# Altium PCB Cyberdeck.PcbDoc (part 1 of 2)
Units mm, origin at the board's own origin, x right, y up, seen from the top; angles counter-clockwise.
Board outline 150 x 120 mm, 2 copper layers (Top Layer, Bottom Layer), stack 1.535 mm thick; 72 components, 114 nets, 477 pads, 1633 vias.
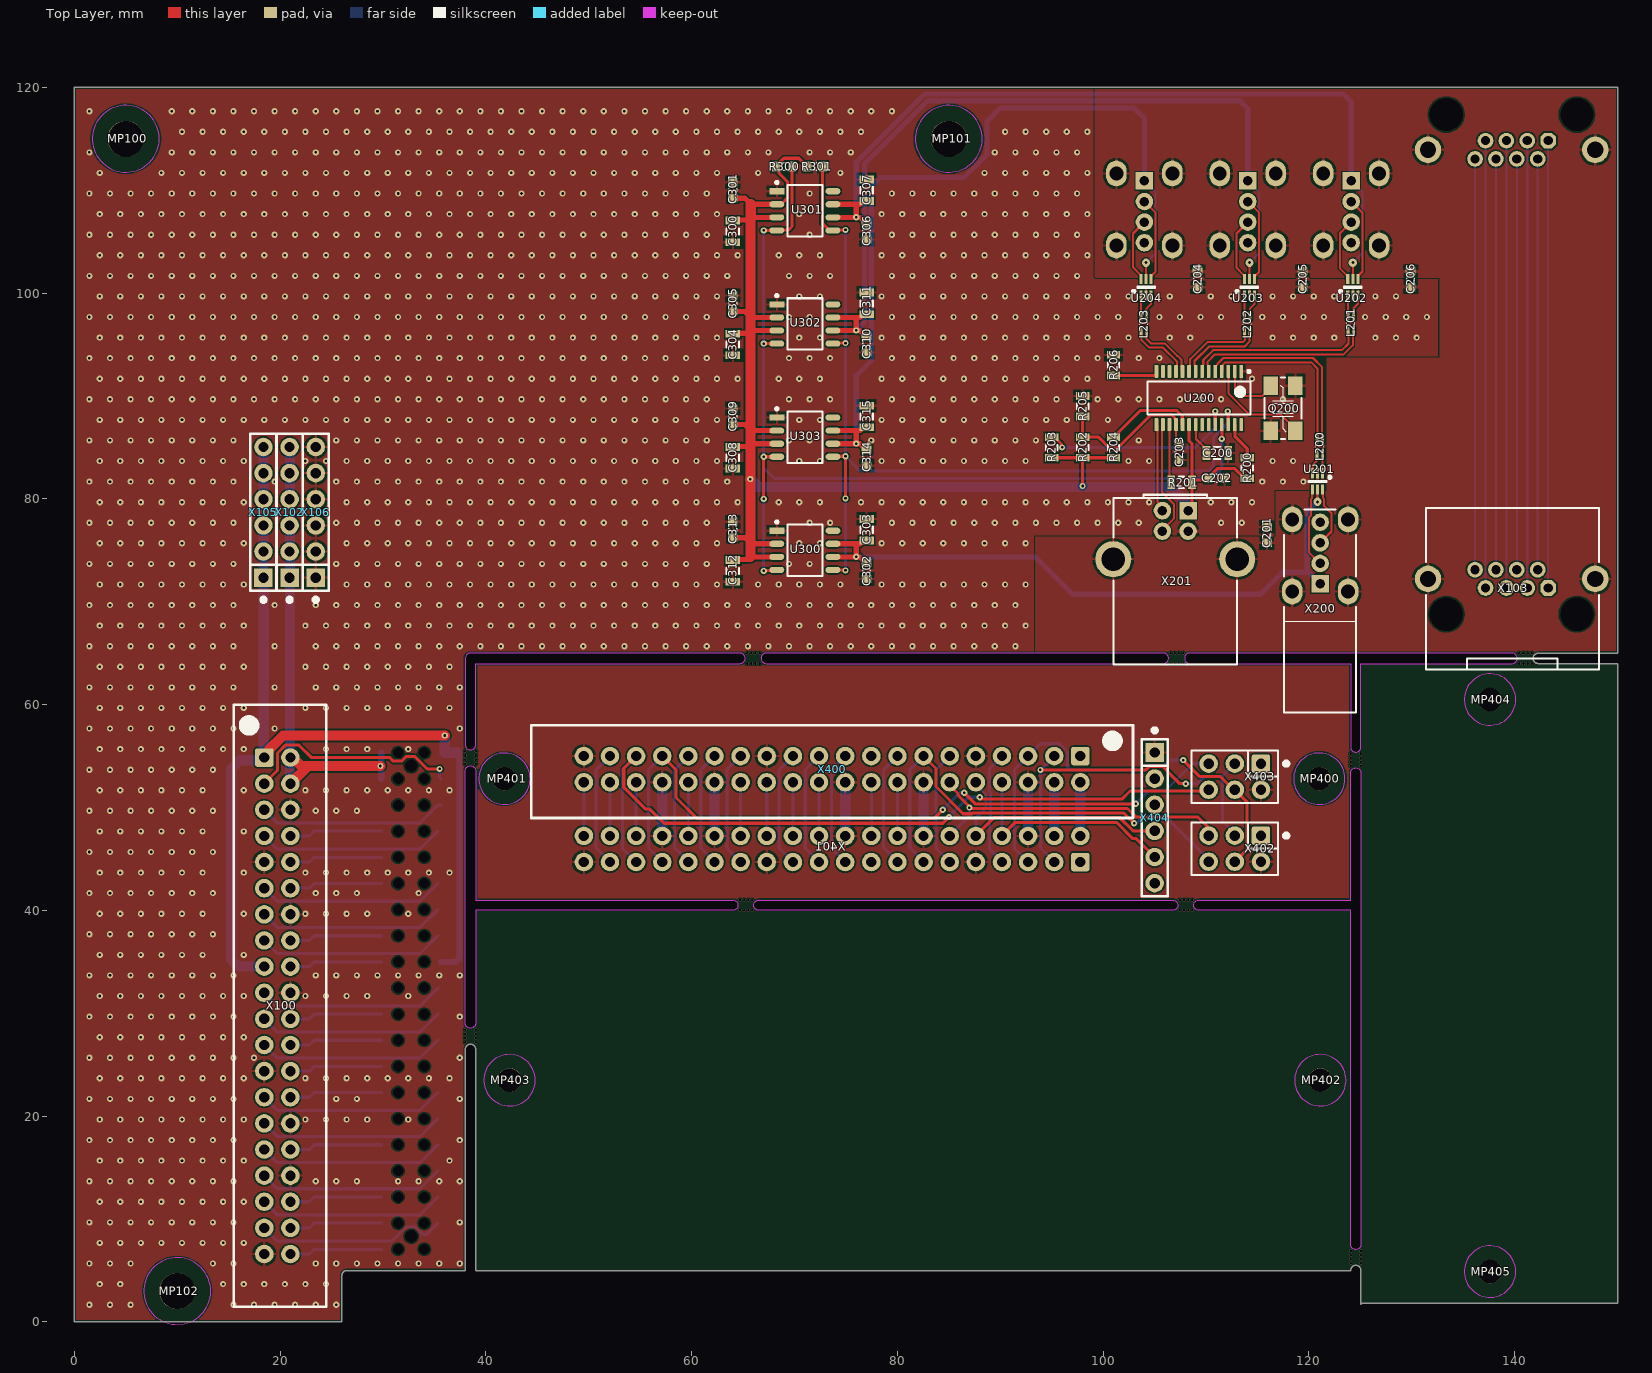
[diagram p0: Top Layer view]
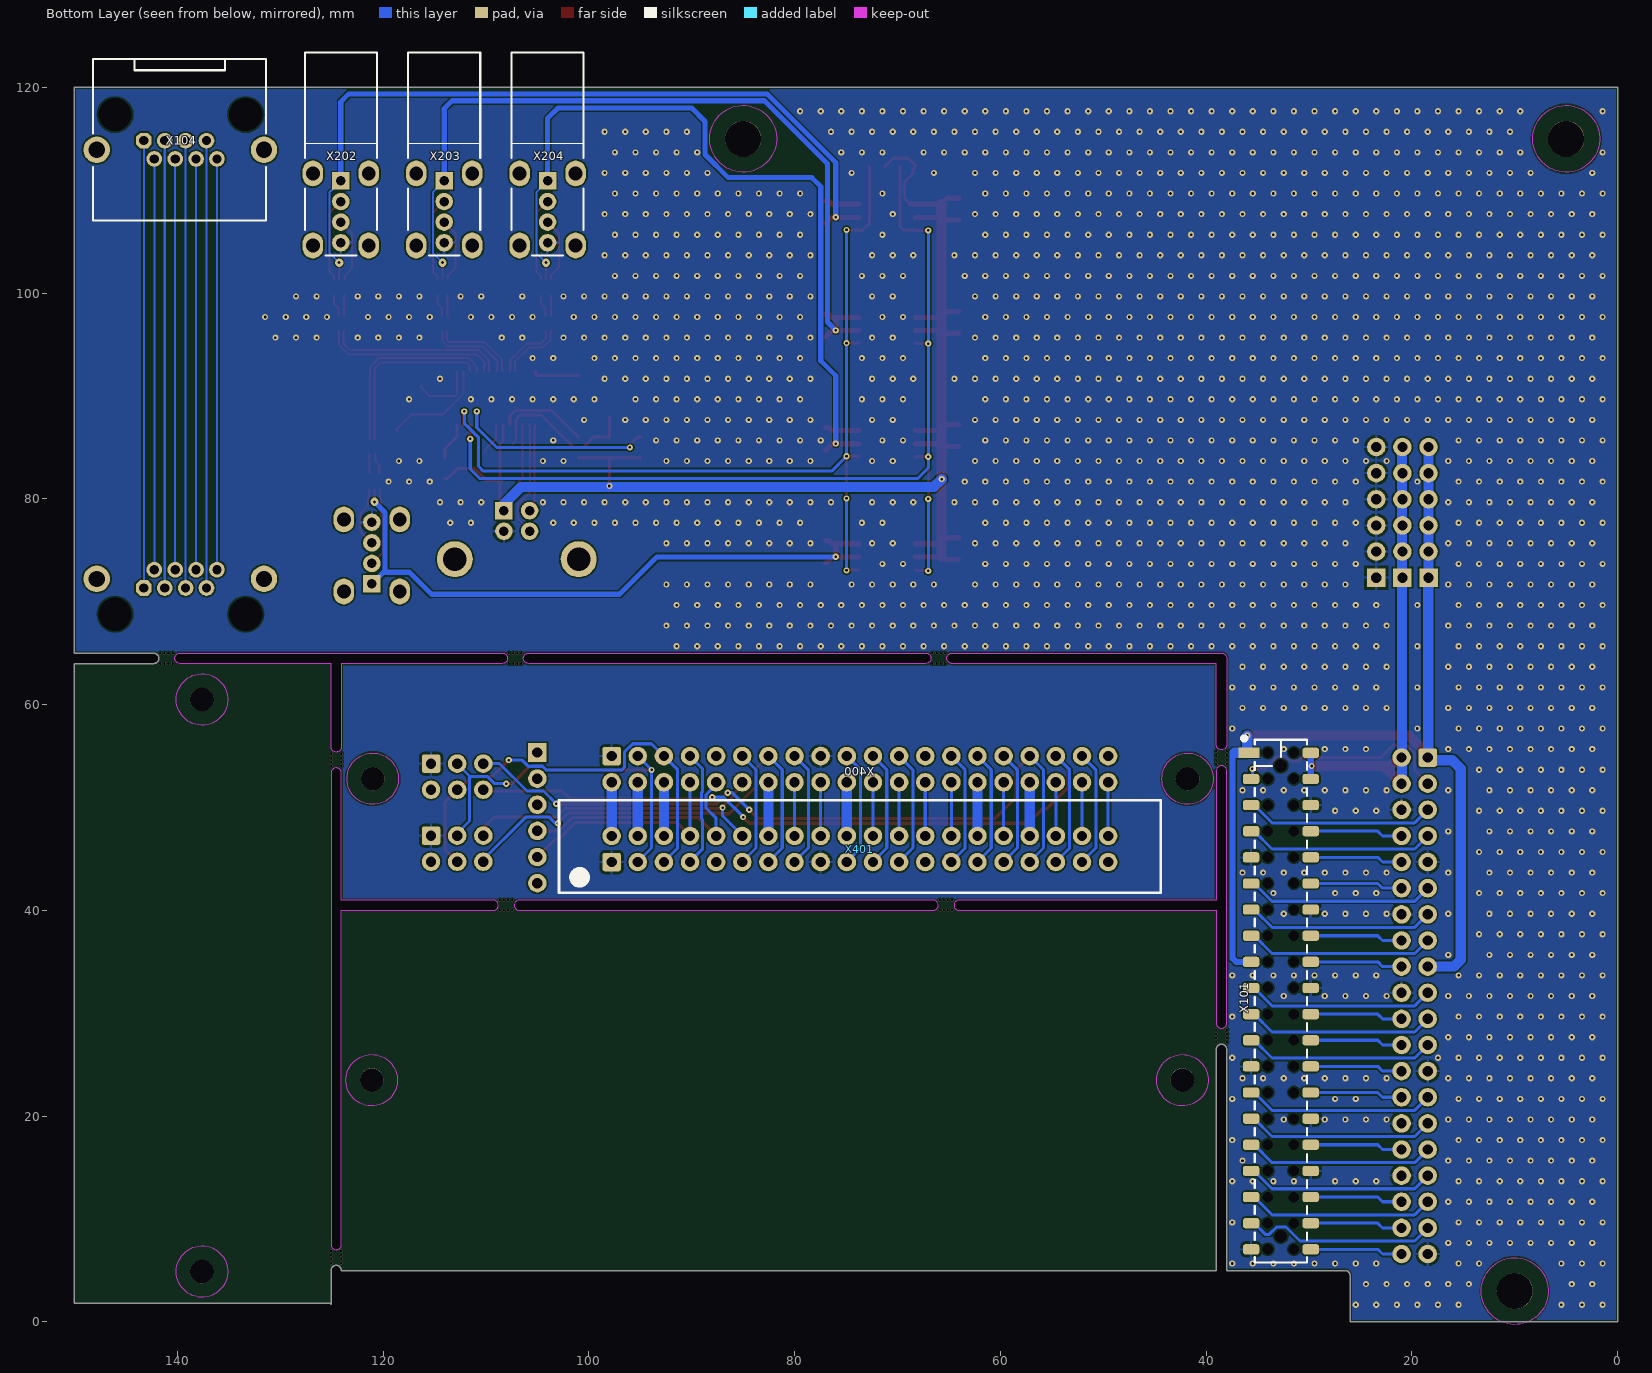
[diagram p1: Bottom Layer view, seen from below]
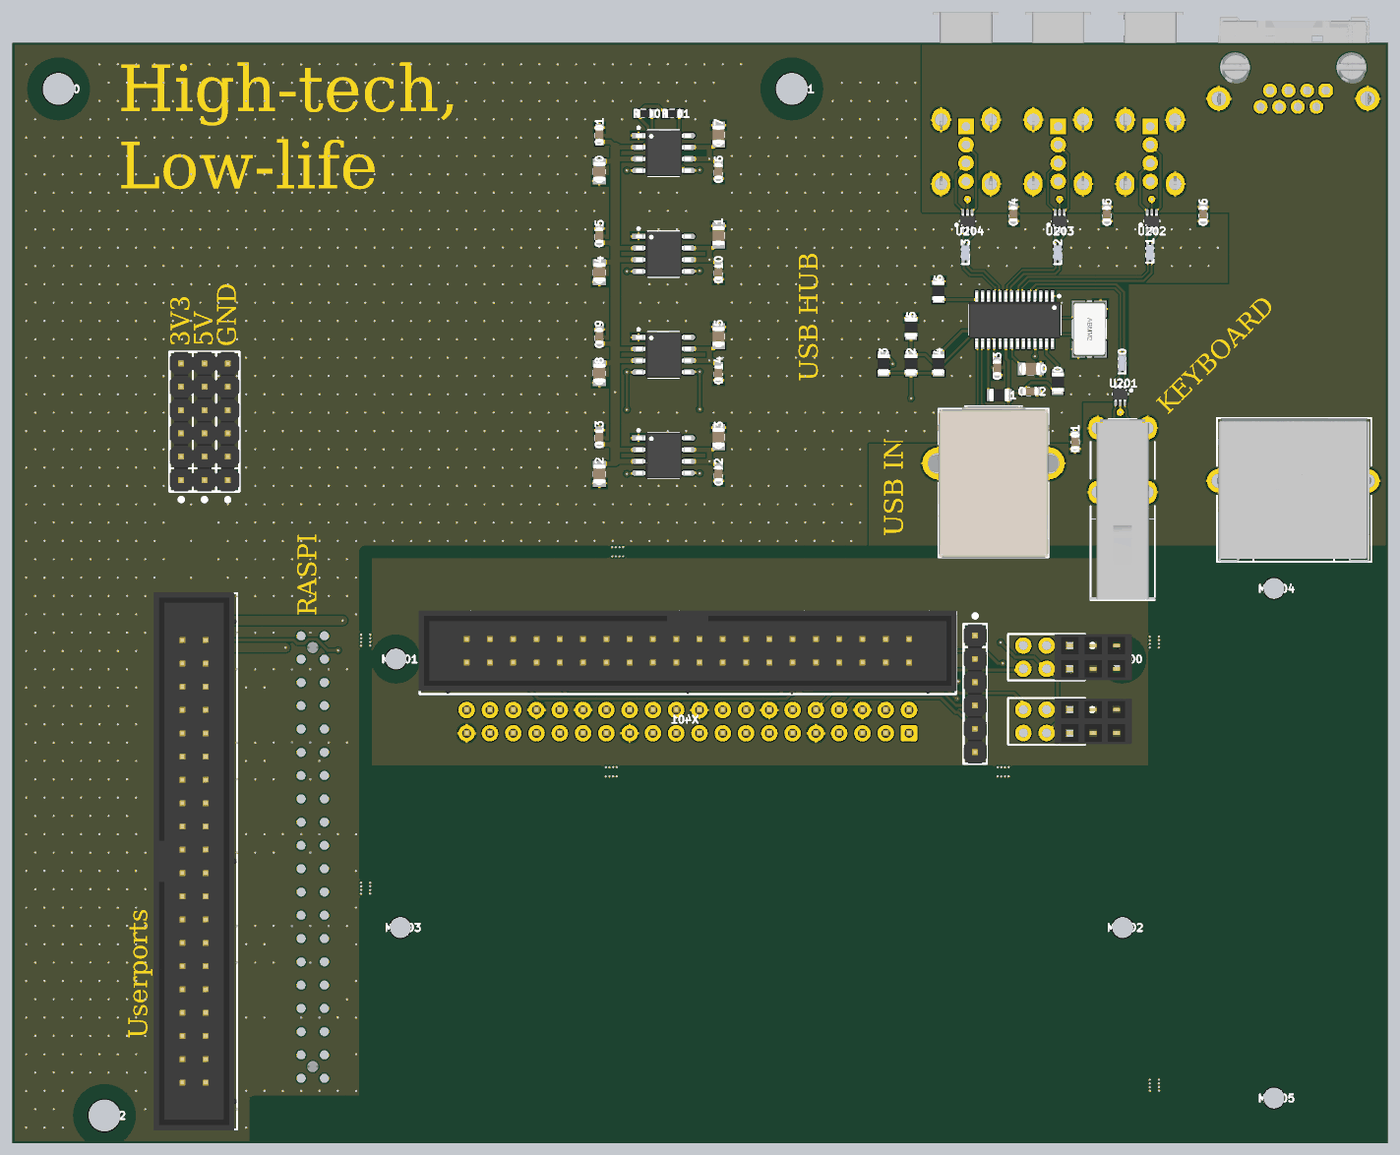
[diagram p3: 3D render of the assembled board from above, using the file's embedded part models]
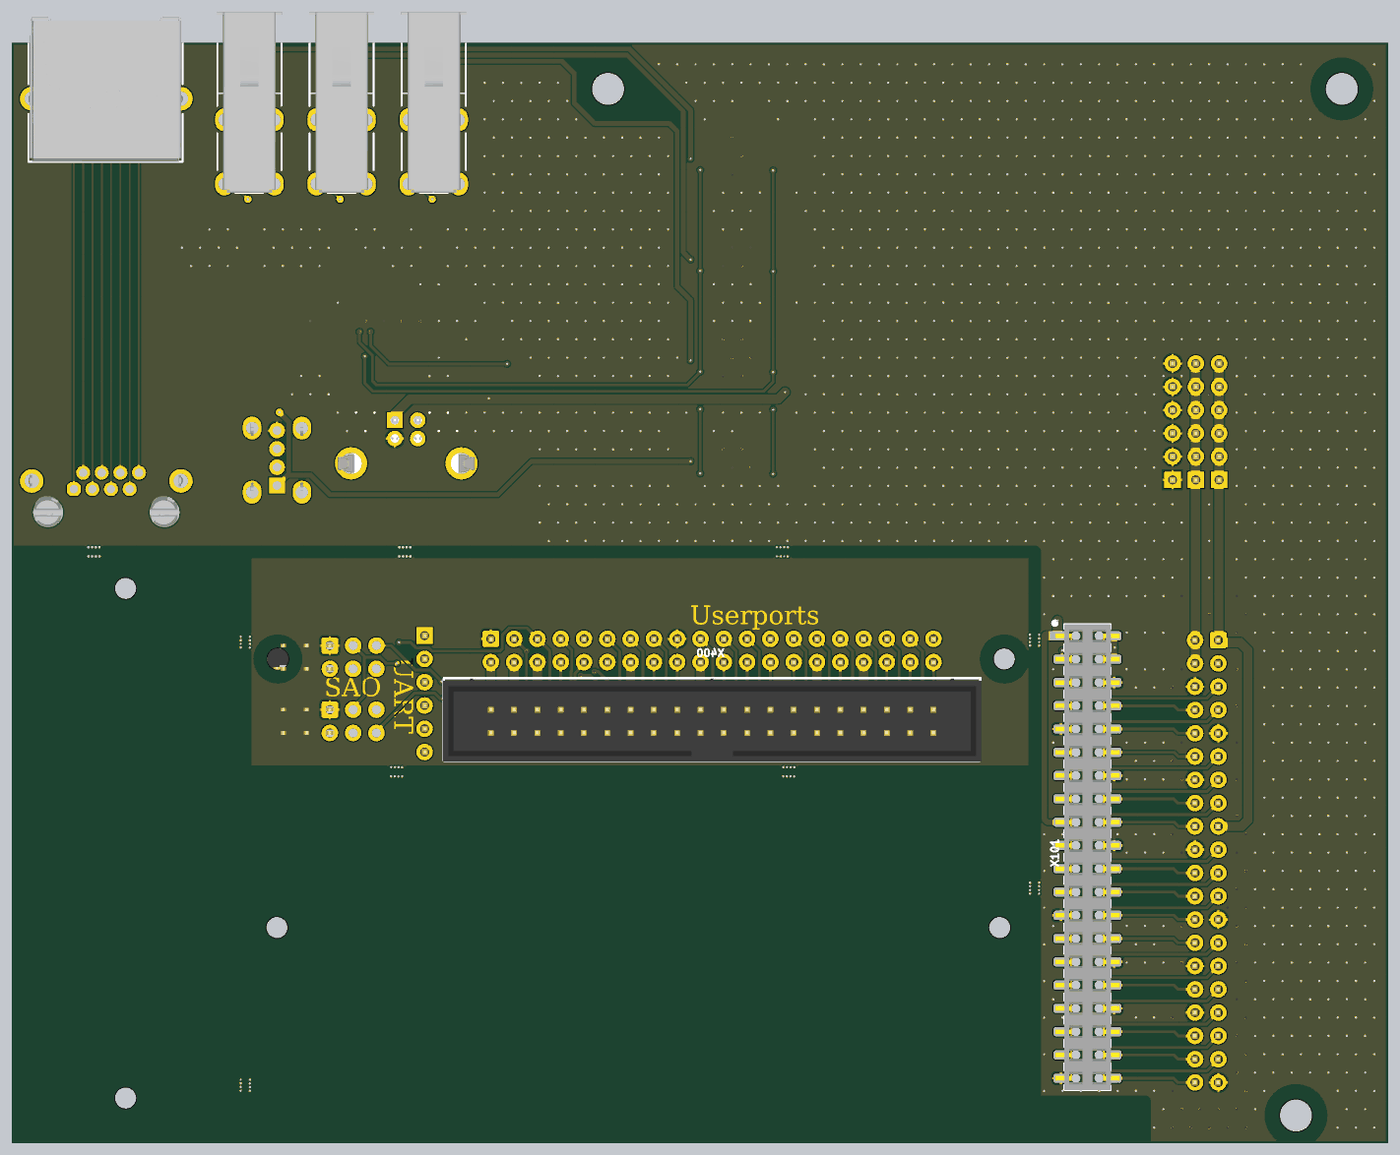
[diagram p4: 3D render of the assembled board from below, using the file's embedded part models]

## Layer stack, top to bottom
Top Solder: solder mask 0.0102, Solder Resist, Dk 3.5
Top Layer: signal copper 0.018
Core: core 1.4986, FR-4, Dk 4.3
Bottom Layer: signal copper 0.018
Bottom Solder: solder mask 0.0102, Solder Resist, Dk 3.5

## Board outline
0,0 26,0 26,4.5 cw(c26.5,4.5) 26.5,5 38,5 38,26.5 cw(c38.5,26.5) 39,26.5 39,5 124.05,5 cw(c124.55,5) 125.05,5 125.05,1.7 125.15,1.8 150,1.8 150,64 142.29,64 cw(c142.29,64.5) 142.29,65 150,65 150,120 0,120
cut-out: 109.29,40 cw(c109.29,40.5) 109.29,41 124.05,41 124.05,53.35 cw(c124.55,53.35) 125.05,53.35 125.05,7.54 cw(c124.55,7.54) 124.05,7.54 124.05,40
cut-out: 108.4,64 124.05,64 124.05,55.89 ccw(c124.55,55.89) 125.05,55.89 125.05,64 139.75,64 ccw(c139.75,64.5) 139.75,65 108.4,65 ccw(c108.4,64.5)
cut-out: 66.54,40 cw(c66.54,40.5) 66.54,41 106.75,41 cw(c106.75,40.5) 106.75,40
cut-out: 38,29.04 38,53.56 cw(c38.5,53.56) 39,53.56 39,41 64,41 cw(c64,40.5) 64,40 39,40 39,29.04 cw(c38.5,29.04)
cut-out: 67.24,64 105.86,64 ccw(c105.86,64.5) 105.86,65 67.24,65 ccw(c67.24,64.5)
cut-out: 38,56.1 ccw(c38.5,56.1) 39,56.1 39,64 64.7,64 ccw(c64.7,64.5) 64.7,65 38.5,65 ccw(c38.5,64.5) 38,64.5

## Design rules (kind name [scope] priority, off if disabled: settings)
AcuteAngle [All] p1: minimum=6.00000000000000E+0001 checktracksonly=FALSE
BoardOutlineClearance [All] p1: gap=0.2 ignorepadtopadclearanceinfootprint=FALSE
Clearance Clearance-xPP-xTP-xTT [All] p1: gap=0.15 ignorepadtopadclearanceinfootprint=FALSE except(0: Arc-Hole Track-Hole SMDPad-Hole THPad-Hole Via-Hole Fill-Hole Poly-Hole Region-Hole Text-Hole)
ComponentClearance [All] p1: gap=0.25 collisioncheckmode=3 verticalgap=0.25 showdistances=FALSE
DiffPairsRouting Diffpairs_USB [All] p1: maxlimit=0.25 minlimit=0.15 mostfreqgap=0.25 toplayer_prefgap=0.22 toplayer_minwidth=0.15 toplayer_maxwidth=0.25 toplayer_prefwidth=0.22 bottomlayer_mingap=0.25 bottomlayer_minwidth=0.381 bottomlayer_maxwidth=0.381 bottomlayer_prefwidth=0.381 maxuncoupledlength=12.5
DiffPairsRouting Diffpairs_ETH [All] p2: maxlimit=0.3 minlimit=0.15 mostfreqgap=0.3 toplayer_minwidth=0.15 toplayer_maxwidth=0.2 toplayer_prefwidth=0.2 bottomlayer_mingap=0.25 bottomlayer_maxgap=0.25 bottomlayer_prefgap=0.25 bottomlayer_minwidth=0.381 bottomlayer_maxwidth=0.381 bottomlayer_prefwidth=0.381 maxuncoupledlength=12.5
DiffPairsRouting DiffPairsRouting_1 [All] p3: maxlimit=0.254 minlimit=0.254 mostfreqgap=0.254 toplayer_minwidth=0.381 toplayer_maxwidth=0.381 toplayer_prefwidth=0.381 bottomlayer_minwidth=0.381 bottomlayer_maxwidth=0.381 bottomlayer_prefwidth=0.381 maxuncoupledlength=12.7
Height [All] p1: minheight=0 maxheight=25 prefheight=12.5
HoleSize HoleSize-PTH [All] p1: absolutevalues=TRUE maxlimit=5 minlimit=0.25 maxpercent=80.000 minpercent=20.000
HoleToHoleClearance [All] p1: gap=0.15 allowstackedmicrovias=TRUE
MatchedLengths MatchLengths_xSignals_X181_U100 [InxSignalClass('xSignals_X181_U100_MatchLengthsClass')] p1: tolerance=0.1 checknetsindiffpair=FALSE checkdiffpairvsdiffpair=TRUE checkxsignals=TRUE checkothers=TRUE
MatchedLengths MatchLengths_xSignals_X180_U100 [InxSignalClass('xSignals_X180_U100_MatchLengthsClass')] p2: tolerance=0.1 checknetsindiffpair=FALSE checkdiffpairvsdiffpair=TRUE checkxsignals=TRUE checkothers=TRUE
MinimumAnnularRing "Minimum IAR  >0.45mm" [((ObjectKind = 'Pad') OR (ObjectKind = 'Via')) And (Layer = 'MultiLayer') And (HoleDiameter > AsMM(0.45))] p1: minimumring=0.25 // minimum inner annular ring for pads > 0.45mm finished hole size
MinimumAnnularRing "Minimum IAR <=0.45mm" [((ObjectKind = 'Pad') OR (ObjectKind = 'Via')) And (Layer = 'MultiLayer') And (HoleDiameter <= AsMM(0.45))] p2: minimumring=0.15 // minimum inner annular ring for pads <= 0.45mm finished hole size
MinimumSolderMaskSliver [All] p1: minsoldermaskwidth=0.025
PlaneClearance PlaneClearance-IPI [All] p1: clearance=0.2
PlaneConnect NetTie [HasFootprint('NETTIE_TH')] p1: planeconnectstyle=Direct reliefexpansion=0.508 reliefentries=4 reliefconductorwidth=0.254 reliefairgap=0.254
PlaneConnect [All] p2: pad.planeconnectstyle=Relief pad.reliefexpansion=0.4 pad.reliefentries=4 pad.reliefconductorwidth=0.2 pad.reliefairgap=0.2 via.planeconnectstyle=Direct via.reliefexpansion=0.4 via.reliefentries=4 via.reliefconductorwidth=0.2 via.reliefairgap=0.2
PolygonConnect Nettie_polygon [HasFootprint('NETTIE_TH')] p1: connectstyle=Direct reliefconductorwidth=0.254 reliefentries=4 polygonreliefangle="90 Angle" airgapwidth=0.254
PolygonConnect HIGH_CURRENT [(HasFootprint('SPT 2,5/4-V-5,0') OR HasFootprint('SPT 2,5/2-V-5,0') OR HasFootprint('INF-PG-TO263-7-1_N') OR HasFootprint('SOT223'))] p2: thpad.connectstyle=Relief thpad.reliefconductorwidth=0.7 thpad.reliefentries=4 thpad.polygonreliefangle="90 Angle" thpad.airgapwidth=0.254 smdpad.connectstyle=Direct smdpad.reliefconductorwidth=0.254 smdpad.reliefentries=4 smdpad.polygonreliefangle="90 Angle" smdpad.airgapwidth=0.254 via.connectstyle=Direct via.reliefconductorwidth=0.254 via.reliefentries=4 via.polygonreliefangle="90 Angle" via.airgapwidth=0.254
PolygonConnect BATTERY_HOLDER [HasFootprint('3035')] p3: thpad.connectstyle=Relief thpad.reliefconductorwidth=0.7 thpad.reliefentries=4 thpad.polygonreliefangle="90 Angle" thpad.airgapwidth=0.254 smdpad.connectstyle=Direct smdpad.reliefconductorwidth=0.254 smdpad.reliefentries=4 smdpad.polygonreliefangle="90 Angle" smdpad.airgapwidth=0.254 via.connectstyle=Direct via.reliefconductorwidth=0.254 via.reliefentries=4 via.polygonreliefangle="90 Angle" via.airgapwidth=0.254
PolygonConnect FGND [InNet('FGND') vs HasFootprint('M3x08S - Erdung')] p4: connectstyle=Direct reliefconductorwidth=0.2 reliefentries=4 polygonreliefangle="90 Angle" airgapwidth=0.175
PolygonConnect [All] p5: thpad.connectstyle=Relief thpad.reliefconductorwidth=0.254 thpad.reliefentries=4 thpad.polygonreliefangle="90 Angle" thpad.airgapwidth=0.254 smdpad.connectstyle=Relief smdpad.reliefconductorwidth=0.254 smdpad.reliefentries=4 smdpad.polygonreliefangle="90 Angle" smdpad.airgapwidth=0.254 via.connectstyle=Direct via.reliefconductorwidth=0.254 via.reliefentries=4 via.polygonreliefangle="90 Angle" via.airgapwidth=0.254
RoomDefinition Backside [InComponentClass('Backside')] p1: confinementstyle=ConfineIn formatcopy=TRUE lockcomponents=FALSE outline 39,64 39,41 124,41 124,64
RoutingCorners [All] p1: cornerstyle=45-Degree minsetback=2.5 maxsetback=2.5
RoutingTopology [All] p1: topology=Daisy_Balanced
RoutingVias [(ObjectKind = 'Via')] p1: holewidth=0.3 width=0.8 viastyle="Through Hole" minholewidth=0.25 minwidth=0.6 maxholewidth=1 maxwidth=1.5
ShortCircuit "Mounting Holes" [HasFootprint('M3x08S - Erdung') AND NOT InAnyNet] p1: allowed=TRUE
ShortCircuit [All] p2: allowed=FALSE
SilkToSilkClearance [All] p1 off: silktosilkclearance=0.254
SilkToSolderMaskClearance [IsPad] p1 off: minsilkscreentomaskgap=0.254 clearancetoexposedcopper=TRUE
SolderMaskExpansion [All] p1: expansion=0.1
UnRoutedNet [All] p1: checkbadconnections=TRUE
Width Width-xTW [All] p1: maxlimit=1.5 minlimit=0.15 preferedwidth=0.2
16 further rules are at their usual default settings.

## Classes and differential pairs
component class USBPower: C300 C301 C302 C303 C304 C305 C306 C307 C308 C309 C310 C311 C312 C313 C314 C315 R300 R301 TP300 TP301 U300 U301 U302 U303
component class RaspiConnection: 100 MP100 MP101 MP102 MP106 MP107 MP108 X100 X101 X102 X103 X104 X105 X106
component class Backside: MP400 MP401 MP402 MP403 MP404 MP405 X400 X401 X402 X403 X404
net class USB: USB2_1_N USB2_1_P USB2_2_N USB2_2_P USB2_3_N USB2_3_P USB2_4_N USB2_4_P USB2_N USB2_P
component class USB_hub: C200 C201 C202 C203 C204 C205 C206 L200 L201 L202 L203 Q200 R200 R201 R202 R203 R204 R205 R206 U200 U201 U202 U203 U204 X200 X201 X202 X203 X204
differential pair USB2: +USB2_P -USB2_N
differential pair USB2_4: +USB2_4_P -USB2_4_N
differential pair USB2_3: +USB2_3_P -USB2_3_N
differential pair USB2_2: +USB2_2_P -USB2_2_N
differential pair USB2_1: +USB2_1_P -USB2_1_N

## Components (designator, comment, footprint, x,y, rotation, side; value= is the part's Value field where it differs from the comment)
C200 "22u/10V" 0805_C_E0 111.093,84.46 r0 top
C201 "15n" 0603_C 115.914,76.502 r90 top
C202 "100n" 0603_C 111,82 r180 top
C203 "100n" 0603_C 107.4,84.558 r90 top
C204 "15n" 0603_C 109.176,101.346 r270 top
C205 "15n" 0603_C 119.377,101.346 r270 top
C206 "15n" 0603_C 129.877,101.346 r270 top
C300 "22u/10V" 0805_C_E0 64,106 r90 top
C301 "100n" 0603_C 64,110 r270 top
C302 "100n" 0603_C 77,73 r90 top
C303 "22u/10V" 0805_C_E0 77,77 r270 top
C304 "22u/10V" 0805_C_E0 64,95 r90 top
C305 "100n" 0603_C 64,99 r270 top
C306 "100n" 0603_C 77,106 r90 top
C307 "22u/10V" 0805_C_E0 77,110 r270 top
C308 "22u/10V" 0805_C_E0 64,84 r90 top
C309 "100n" 0603_C 64,88 r270 top
C310 "100n" 0603_C 77,95 r90 top
C311 "22u/10V" 0805_C_E0 77,99 r270 top
C312 "22u/10V" 0805_C_E0 64,73 r90 top
C313 "100n" 0603_C 64,77 r270 top
C314 "100n" 0603_C 77,84 r90 top
C315 "22u/10V" 0805_C_E0 77,88 r270 top
L200 "ACM-0603-900-T" ACM-0603-900-T 121.04,85.1 r270 top
L201 "ACM-0603-900-T" ACM-0603-900-T 124.053,97.045 r90 top
L202 "ACM-0603-900-T" ACM-0603-900-T 114.002,97.045 r90 top
L203 "ACM-0603-900-T" ACM-0603-900-T 103.95,97.045 r90 top
MP100 "Mounting Hole" M3x08S 5,115 r0 top locked
MP101 "Mounting Hole" M3x08S 85,115 r0 top locked
MP102 "Mounting Hole" M3x08S 10,3 r0 top locked
MP400 "Mounting Hole" "M2 2.3" 121,52.8 r0 top
MP401 "Mounting Hole" "M2 2.3" 41.8,52.8 r0 top
MP402 "Mounting Hole" "M2 2.3" 121.1,23.5 r0 top
MP403 "Mounting Hole" "M2 2.3" 42.3,23.5 r0 top
MP404 "Mounting Hole" "M2 2.3" 137.6,60.5 r0 top
MP405 "Mounting Hole" "M2 2.3" 137.6,4.9 r0 top
Q200 "ABMM2-12.000MHZ-E2-T" ABMM2 117.476,88.8 r90 top
R200 "10k" 0805_R 114,83 r270 top
R201 "10k" 0805_R 107.623,81.6 r0 top
R202 "10k" 0805_R 98,85 r270 top
R203 "10k" 0805_R 95,85 r270 top
R204 "10k" 0805_R 101,85 r90 top
R205 "100k" 0805_R 98,89 r270 top
R206 "10k" 0805_R 101,93 r90 top
R300 "100k" 0603_R 68.964,112.297 r180 top
R301 "10k" 0603_R 72,112.297 r180 top
U200 "XR22404CG28-F" SSOP-28 109.3,89.8 r270 top
U201 "USBLC6-2" SOT-666 120.828,81.7 r270 top
U202 "USBLC6-2" SOT-666 124.266,100.57 r90 top
U203 "USBLC6-2" SOT-666 114.214,100.57 r90 top
U204 "USBLC6-2" SOT-666 104.162,100.57 r90 top
U300 "AP2141SG-13" SO8 71,75 r0 top
U301 "AP2141SG-13" SO8 71,108 r0 top
U302 "AP2141SG-13" SO8 71,97 r0 top
U303 "AP2141SG-13" SO8 71,86 r0 top
X100 "Connector 2x20Pin" "Pin Header 2x20 TH Pitch 2.54mm - sh" 19.73,30.73 r90 top
X101 "Connector 2x20Pin" "Pin Header 2x20 SMD Pitch 2.54mm F" 32.83,24.84 r270 bottom
X102 "Connector 6Pin" "Pin Header 1x6 TH Pitch 2.54mm" 20.917,78.693 r90 top
X103 "RJHSE5E80" RJ45 139.7,70.96 r0 top
X104 "RJHSE5E80" RJ45 139.7,115.2 r0 bottom locked
X105 "Connector 6Pin" "Pin Header 1x6 TH Pitch 2.54mm" 18.377,78.693 r90 top
X106 "Connector 6Pin" "Pin Header 1x6 TH Pitch 2.54mm" 23.457,78.693 r90 top
X200 "73725-0110BLF" 73725-0110BLF 121.09,74.5 r0 top
X201 "UE27-BC54-130" UE27BC54130 107,74 r0 top
X202 "73725-0110BLF" 73725-0110BLF 124.103,108.13 r0 bottom
X203 "73725-0110BLF" 73725-0110BLF 114.052,108.13 r0 bottom
X204 "73725-0110BLF" 73725-0110BLF 104,108.13 r0 bottom
X400 "Connector 2x20Pin" "Pin Header 2x20 TH Pitch 2.54mm - sh" 73.65,53.73 r0 top
X401 "Connector 2x20Pin" "Pin Header 2x20 TH Pitch 2.54mm - sh" 73.65,45.97 r0 bottom
X402 "Connector 6Pin" "Pin Header 2x3 TH Pitch 2.54mm f" 112.792,46 r180 top
X403 "Connector 6Pin" "Pin Header 2x3 TH Pitch 2.54mm f" 112.792,53 r180 top
X404 "Connector 6Pin" "Pin Header 1x6 TH Pitch 2.54mm" 105,49 r270 top

## Footprints (in the part's own frame and the unit in brackets; to place one, negate y for a bottom-side part, rotate by r counter-clockwise, add the part's x,y. Pads: shape width x height; smd on the part's side, far side on the other; paste and mask are expansions set on the pad)
0603_C [mm] "0603_C"
  rect 0.8x0.95 smd: 1(-0.775,0) 2(0.775,0)
  silkscreen extent -0.15,-0.38 0.15,0.38, body extent -0.85,-0.45 0.85,0.45, height 0.9
0603_R [mm] "0603_R"
  rect 0.8x0.95 smd: 1(-0.775,0) 2(0.775,0)
  silkscreen extent -0.15,-0.38 0.15,0.38, body extent -0.85,-0.45 0.85,0.45, height 0.55
0805_C_E0 [mm] "0805_C_E0"
  rect 0.75x1.4 smd: 1(-1.05,0) 2(1.05,0)
  silkscreen extent -0.3,-0.6 0.3,0.6, body extent -1.05,-0.67 1.05,0.67, height 1.35
0805_R [mm] "0805_R"
  rect 0.75x1.3 smd: 1(-1,0) 2(1,0)
  silkscreen extent -0.25,-0.55 0.25,0.55, body extent -1.05,-0.67 1.05,0.67, height 0.6
73725-0110BLF [mm] "73725-0110BLF"
  rect 1.7x1.7 hole 0.92: 1(0,-2.77)
  round 1.7 hole 0.92: 2(0,-0.77) 3(0,1.23) 4(0,3.23)
  oval 2x2.5 hole 1.35: 5(-2.72,-3.5) 5(-2.72,3.5) 5(2.72,-3.5) 5(2.72,3.5)
  silkscreen extent -3.5,-15.27 3.5,4.48, body extent -3.57,-15.23 3.56,4.47, height 14.33
ABMM2 [mm] "ABMM2"
  rect 1.8x1.4 smd: 1(-2.2,-1.2) 2(2.2,-1.2) 3(2.2,1.2) 4(-2.2,1.2)
  silkscreen extent -3,-1.8 3,1.8, body extent -3,-1.8 3,1.8, height 1.21
ACM-0603-900-T [mm] "ACM-0603-900-T"
  rrect25% 0.85x0.3 smd: 1(-0.725,-0.275) 2(0.725,-0.275) 3(0.725,0.275)
  rect 0.85x0.3 smd: 4(-0.725,0.275)
  silkscreen extent -0.1,-0.4 0.1,0.4, body extent -0.74,-0.42 0.86,0.43, height 1.11
"M2 2.3" [mm]
  round 2.3 hole 2.3 unplated: 1(0,0)
  Keep-Out Layer circle w0.05: c0,0 r2.5
M3x08S [mm]
  round 3.5 hole 3.5 unplated: 1(0,0)
  Keep-Out Layer circle w0.05: c0,0 r3.25
"Pin Header 1x6 TH Pitch 2.54mm" [mm] "PinHeader 1x6 TH Pitch 2.54mm"
  rect 1.8x1.8 hole 1: 1(-6.35,0)
  round 1.8 hole 1: 2(-3.81,0) 3(-1.27,0) 4(1.27,0) 5(3.81,0) 6(6.35,0)
  silkscreen extent -8.65,-1.27 7.62,1.27, body extent -7.62,-1.27 7.62,1.27, height 8.6
"Pin Header 2x3 TH Pitch 2.54mm f" [mm] "PinHeader 2x3 TH Pitch 2.54mm female"
  rrect25% 1.8x1.8 hole 1: 1(-2.54,-1.27)
  round 1.8 hole 1: 2(-2.54,1.27) 3(0,-1.27) 4(0,1.27) 5(2.54,-1.27) 6(2.54,1.27)
  silkscreen extent -5.14,-2.54 4.2,2.54, body extent -9.29,-2.5 -0.87,2.5, height 8.5
"Pin Header 2x20 SMD Pitch 2.54mm F" [mm]
  rect 1x2 smd: 1(-30.48,-3)
  rrect50% 1x1.6 smd: 2(-30.48,3) 3(-27.94,-2.8) 4(-27.94,3) 5(-25.4,-2.8) 6(-25.4,3) 7(-22.86,-2.8) 8(-22.86,3) 9(-20.32,-2.8) 10(-20.32,3) 11(-17.78,-2.8) 12(-17.78,3) 13(-15.24,-2.8) 14(-15.24,3) 15(-12.7,-2.8) 16(-12.7,3) 17(-10.16,-2.8) 18(-10.16,3) 19(-7.62,-2.8) 20(-7.62,3) 21(-5.08,-2.8) 22(-5.08,3) 23(-2.54,-2.8) 24(-2.54,3) 25(0,-2.8) 26(0,3) 27(2.54,-2.8) 28(2.54,3) 29(5.08,-2.8) 30(5.08,3) 31(7.62,-2.8) 32(7.62,3) 33(10.16,-2.8) 34(10.16,3) 35(12.7,-2.8) 36(12.7,3) 37(15.24,-2.8) 38(15.24,3) 39(17.78,-2.8) 40(17.78,3)
  round 0 hole 1.02 unplated: 51(-30.48,-1.17) 51(-30.48,1.37) 51(-27.94,-1.17) 51(-27.94,1.37) 51(-25.4,-1.17) 51(-25.4,1.37) 51(-22.86,1.37) 51(-22.86,-1.17) 51(-20.32,-1.17) 51(-20.32,1.37) 51(-17.78,-1.17) 51(-17.78,1.37) 51(-15.24,-1.17) 51(-15.24,1.37) 51(-12.7,1.37) 51(-12.7,-1.17) 51(-10.16,1.37) 51(-10.16,-1.17) 51(-7.62,-1.17) 51(-7.62,1.37) 51(-5.08,-1.17) 51(-5.08,1.37) 51(-2.54,-1.17) 51(-2.54,1.37) 51(0,1.37) 51(0,-1.17) 51(2.54,-1.17) 51(2.54,1.37) 51(5.08,-1.17) 51(5.08,1.37) 51(7.62,-1.17) 51(7.62,1.37) 51(10.16,1.37) 51(10.16,-1.17) 51(12.7,1.37) 51(12.7,-1.17) 51(15.24,-1.17) 51(15.24,1.37) 51(17.78,-1.17) 51(17.78,1.37)
  round 0 hole 1.2 unplated: 51(-29.21,0.1) 51(16.51,0.1)
  silkscreen extent -32.03,-3.61 19.05,2.64, body extent -31.75,-11.08 19.05,3.62, height 8.6
"Pin Header 2x20 TH Pitch 2.54mm - sh" [mm] "PinHeader 2x20 TH Pitch 2.54mm"
  rrect25% 1.8x1.8 hole 1: 1(24.13,1.27)
  round 1.8 hole 1: 2(24.13,-1.27) 3(21.59,1.27) 4(21.59,-1.27) 5(19.05,1.27) 6(19.05,-1.27) 7(16.51,1.27) 8(16.51,-1.27) 9(13.97,1.27) 10(13.97,-1.27) 11(11.43,1.27) 12(11.43,-1.27) 13(8.89,1.27) 14(8.89,-1.27) 15(6.35,1.27) 16(6.35,-1.27) 17(3.81,1.27) 18(3.81,-1.27) 19(1.27,1.27) 20(1.27,-1.27) 21(-1.27,1.27) 22(-1.27,-1.27) 23(-3.81,1.27) 24(-3.81,-1.27) 25(-6.35,1.27) 26(-6.35,-1.27) 27(-8.89,1.27) 28(-8.89,-1.27) 29(-11.43,1.27) 30(-11.43,-1.27) 31(-13.97,1.27) 32(-13.97,-1.27) 33(-16.51,1.27) 34(-16.51,-1.27) 35(-19.05,1.27) 36(-19.05,-1.27) 37(-21.59,1.27) 38(-21.59,-1.27) 39(-24.13,1.27) 40(-24.13,-1.27)
  silkscreen extent -29.25,-4.75 29.25,4.25, body extent -29.35,-4.74 29.35,4.36, height 9.31
RJ45 [mm] "generic RJ45 footprint w/o LEDs"
  oct 1.524x1.524 hole 0.89: 1(3.55,0.38)
  round 1.524 hole 0.89: 2(2.53,2.16) 3(1.52,0.38) 4(0.5,2.16) 5(-0.51,0.38) 6(-1.53,2.16) 7(-2.54,0.38) 8(-3.56,2.16)
  round 2.57 hole 1.57: 9(-8.13,1.27) 9(8.13,1.27)
  round 1.524 hole 3.25 unplated: 10(-6.35,-2.16) 10(6.35,-2.16)
  silkscreen extent -8.32,-7.56 8.5,8.14, body extent -8.33,-7.61 8.5,8.14, height 13.47
SO8 [mm] "SOIC8, SO8, PG-DSO8-44, R-PDSO8-G8"
  rect 1.45x0.6 smd: 1(-2.725,1.905)
  oval 1.45x0.6 smd: 2(-2.725,0.635) 3(-2.725,-0.635) 4(-2.725,-1.905) 5(2.725,-1.905) 6(2.725,-0.635) 7(2.725,0.635) 8(2.725,1.905)
  silkscreen extent -2.85,-2.5 1.7,2.88, body extent -3,-2.5 3,2.5, height 1.75
SOT-666 [mm] "SOTFL, 6-Leads, Body 1.60x1.60mm, Pitch 0.50mm, IPC Medium Density"
  rect 0.99x0.3 smd: 1(-0.8,0.5)
  rrect25% 0.99x0.3 smd: 2(-0.8,0) 3(-0.8,-0.5) 4(0.8,-0.5) 5(0.8,0) 6(0.8,0.5)
  silkscreen extent -0.53,-0.85 0.05,1.33, body extent -0.8,-0.85 0.8,0.85, height 0.6
SSOP-28 [mm] "SOP, 28-Leads, Body 9.91x3.90mm, Pitch 0.64mm, IPC Medium Density"
  rect 1.27x0.36 smd: 1(-2.59,4.127)
  rrect50% 1.27x0.36 smd: 2(-2.59,3.492) 3(-2.59,2.857) 4(-2.59,2.222) 5(-2.59,1.587) 6(-2.59,0.952) 7(-2.59,0.317) 8(-2.59,-0.318) 9(-2.59,-0.953) 10(-2.59,-1.588) 11(-2.59,-2.223) 12(-2.59,-2.858) 13(-2.59,-3.493) 14(-2.59,-4.128) 15(2.59,-4.127) 16(2.59,-3.492) 17(2.59,-2.857) 18(2.59,-2.222) 19(2.59,-1.587) 20(2.59,-0.952) 21(2.59,-0.317) 22(2.59,0.318) 23(2.59,0.953) 24(2.59,1.588) 25(2.59,2.223) 26(2.59,2.858) 27(2.59,3.493) 28(2.59,4.128)
  silkscreen extent -2.71,-5 1.6,5, body extent -3,-5 3,5, height 1.73
UE27BC54130 [mm] "USB RCPT GOLD TYPE B R/A"
  rect 1.7x1.7 hole 0.92: 1(1.25,4.855)
  round 1.7 hole 0.92: 2(-1.25,4.855) 3(-1.25,2.855) 4(1.25,2.855)
  round 3.5 hole 2.3: 5(-6.02,0.145) 5(6.02,0.145)
  silkscreen extent -6,-10.1 6,6.4, body extent -7.48,-10.15 7.47,6.35, height 10.91

## Part data
C200 C201 C202 C203 C204 C205 C206 C300 C301 C302 C303 C304 C305 C306 C307 C308 C309 C310 C311 C312 C313 C314 C315: library part C, "Chip capacitor, generic"
L200 L201 L202 L203: library part L_ACM-0603-900-T, "INDUCTOR COMMON MODE SMD", Case/Package=0603, Manufacturer=Abracon, Max Operating Temperature=85°C, Max Output Current=200mA, Min Operating Temperature=-40°C, Supplier Part Number 1=535-12407-1-ND, ComponentLink1Description=https://datasheet.ciiva.com/29370/acm-0603-29370512.pdf, ComponentLink1URL=https://datasheet.ciiva.com/29370/acm-0603-29370512.pdf, ComponentLink2Description=http://www.mouser.com/ds/2/115/AP21410_21510-740863.pdf, ComponentLink2URL=http://www.mouser.com/ds/2/115/AP21410_21510-740863.pdf, ComponentLink3Description=http://www.diodes.com/_files/datasheets/AP21410_21510.pdf, ComponentLink3URL=http://www.diodes.com/_files/datasheets/AP21410_21510.pdf, Contact Plating=Tin,Matte, Manufacturer Part Number=ACM-0603-900-T, Mount="Surface Mount", Number of Inputs=1, Number of Outputs=1, Pricing 2="1=0.41, 10=0.351, 100=0.2624, 500=0.2062, 1000=0.15934 (USD)", Stock 2=2006, Supplier 1=Digi-Key, Supplier 2=Digi-Key, Supplier Part Number 2=AP21410FM-7DICT-ND
MP100 MP101 MP102 MP400 MP401 MP402 MP403 MP404 MP405: library part "MP_Mounting Hole", "Different Mounting holes"
Q200: library part Q_ABMM2-12.000MHZ-E2-T, "12MHz ±20ppm Crystal 18pF 50 Ohm -20°C ~ 70°C  Surface Mount 4-SMD, No Lead (DFN, LCC)", Case/Package=CSMD, Manufacturer=Abracon, Supplier Part Number 1=535-9631-1-ND, ComponentLink1Description=https://datasheet.ciiva.com/15116/getdatasheetpartid-719825-15116727.pdf, ComponentLink1URL=https://datasheet.ciiva.com/15116/getdatasheetpartid-719825-15116727.pdf, ComponentLink2Description=https://datasheet.ciiva.com/855/abmm2-855417.pdf, ComponentLink2URL=https://datasheet.ciiva.com/855/abmm2-855417.pdf, ComponentLink3Description=https://datasheet.ciiva.com/3176/abmm2-3176137.pdf, ComponentLink3URL=https://datasheet.ciiva.com/3176/abmm2-3176137.pdf, ComponentLink4Description=https://datasheet.ciiva.com/855/abmm2-855418.pdf, ComponentLink4URL=https://datasheet.ciiva.com/855/abmm2-855418.pdf, ComponentLink5Description=https://datasheet.ciiva.com/855/abmm2-855419.pdf, ComponentLink5URL=https://datasheet.ciiva.com/855/abmm2-855419.pdf, ComponentLink6Description=https://datasheet.ciiva.com/16214/abmm2-16214428.pdf, ComponentLink6URL=https://datasheet.ciiva.com/16214/abmm2-16214428.pdf, Manufacturer Part Number=ABMM2-12.000MHZ-E2-T, Supplier 1=Digi-Key
R200 R201 R202 R203 R204 R205 R206 R300 R301: library part R, "Resistor, generic"
U200: library part U_T_XR22404CG28-F, "USB Controller USB 2.0 USB Interface", Manufacturer=Exar, Supplier Part Number 1=1016-2163-ND, ComponentLink1Description=Datasheet, ComponentLink1URL=https://www.exar.com/ds/xr22404.pdf, Manufacturer Part Number=XR22404CG28-F, Supplier 1=Digi-Key
U201 U202 U203 U204: library part D_USBLC6-2, "TVS DIODE 5.25VWM 17VC SOT666", Case/Package=SOT-666, Manufacturer=STMicroelectronics, Manufacturer Part Number=USBLC6-2P6, Supplier Part Number 1=497-5026-1-ND, ComponentLink1Description=https://datasheet.ciiva.com/15143/getdatasheetpartid-98673-15143462.pdf, ComponentLink1URL=https://datasheet.ciiva.com/15143/getdatasheetpartid-98673-15143462.pdf, ComponentLink2Description=https://datasheet.ciiva.com/14186/usblc6-2-st-eng-tds-14186568.pdf, ComponentLink2URL=https://datasheet.ciiva.com/14186/usblc6-2-st-eng-tds-14186568.pdf, ComponentLink3Description=https://datasheet.ciiva.com/22692/1690354-22692453.pdf, ComponentLink3URL=https://datasheet.ciiva.com/22692/1690354-22692453.pdf, ComponentLink4Description=https://datasheet.ciiva.com/22685/1690354-22685832.pdf, ComponentLink4URL=https://datasheet.ciiva.com/22685/1690354-22685832.pdf, ComponentLink5Description=https://datasheet.ciiva.com/16378/cd00050750-16378714.pdf, ComponentLink5URL=https://datasheet.ciiva.com/16378/cd00050750-16378714.pdf, ComponentLink6Description=https://datasheet.ciiva.com/4508/cd00050750-4508892.pdf, ComponentLink6URL=https://datasheet.ciiva.com/4508/cd00050750-4508892.pdf, ComponentLink7Description=https://datasheet.ciiva.com/41444/001184108-da-01-en-ic-esd-protection-usblc6-2p6-sot-666-stm-41444134.pdf, ComponentLink7URL=https://datasheet.ciiva.com/41444/001184108-da-01-en-ic-esd-protection-usblc6-2p6-sot-666-stm-41444134.pdf, Supplier 1=Digi-Key
U300 U301 U302 U303: library part U_Q_AP2141SG-13, "0.5A SINGLE CHANNEL CURRENT-LIMITED POWERSWITCH SOIC8", Case/Package=SOP, Current=500mA, Current Rating=800mA, Manufacturer=Diodes, Max Operating Temperature=85°C, Max Supply Voltage=5.5V, Min Operating Temperature=-40°C, Min Supply Voltage=2.7V, On-State Resistance=95mR, Package Quantity=2500, Supplier Part Number 1=AP2141SGDICT-ND, ComponentLink1Description=https://datasheet.ciiva.com/15108/getdatasheetpartid-661768-15108858.pdf, ComponentLink1URL=https://datasheet.ciiva.com/15108/getdatasheetpartid-661768-15108858.pdf, ComponentLink2Description=https://datasheet.ciiva.com/26882/ap2141fmg-7-26882490.pdf, ComponentLink2URL=https://datasheet.ciiva.com/26882/ap2141fmg-7-26882490.pdf, ComponentLink3Description=https://datasheet.ciiva.com/1962/ap2141-51-1962188.pdf, ComponentLink3URL=https://datasheet.ciiva.com/1962/ap2141-51-1962188.pdf, ComponentLink4Description=https://datasheet.ciiva.com/1962/ap2141-51-1962189.pdf, ComponentLink4URL=https://datasheet.ciiva.com/1962/ap2141-51-1962189.pdf, ComponentLink5Description=https://datasheet.ciiva.com/1962/ap2141-51-1962190.pdf, ComponentLink5URL=https://datasheet.ciiva.com/1962/ap2141-51-1962190.pdf, ComponentLink6Description=http://www.farnell.com/datasheets/608802.pdf?src-supplier=Farnell, ComponentLink6URL=http://www.farnell.com/datasheets/608802.pdf?src-supplier=Farnell, ComponentLink7Description=http://www.farnell.com/datasheets/608802.pdf?src-supplier=Element14, ComponentLink7URL=http://www.farnell.com/datasheets/608802.pdf?src-supplier=Element14, ComponentLink8Description=http://www.diodes.com/datasheets/AP2141_51.pdf?src-supplier=Avnet, ComponentLink8URL=http://www.diodes.com/datasheets/AP2141_51.pdf?src-supplier=Avnet, ComponentLink9Description=https://www.verical.com/server-webapp/html/getDatasheet?partID=670762&src-supplier=Verical, ComponentLink9URL=https://www.verical.com/server-webapp/html/getDatasheet?partID=670762&src-supplier=Verical, ComponentLink10Description=http://www.farnell.com/datasheets/2238439.pdf?src-supplier=Element14, ComponentLink10URL=http://www.farnell.com/datasheets/2238439.pdf?src-supplier=Element14, ComponentLink11Description=http://www.diodes.com/datasheets/AP2141_51.pdf?src-supplier=Future+Electronics, ComponentLink11URL=http://www.diodes.com/datasheets/AP2141_51.pdf?src-supplier=Future+Electronics, ComponentLink12Description=https://www.diodes.com/assets/Datasheets/AP2141-51.pdf?src-supplier=Digi-Key, ComponentLink12URL=https://www.diodes.com/assets/Datasheets/AP2141-51.pdf?src-supplier=Digi-Key, Fault Protection="Over Temperature,Reverse Current", Height=1.5mm, Interface=On/Off, Lead Free="Lead Free", Length=5.3mm, Manufacturer Part Number=AP2141SG-13, Max Output Current=500mA, Mount="Surface Mount", Number of Outputs=1, Number of Pins=8, Output Configuration="High Side", Packaging="Tape and Reel", Pricing 1="1 = 0.70000, 10 = 0.61200, 100 = 0.46910, 500 = 0.37080, 1000 = 0.29664 (USD)", Radiation Hardening=No, REACH SVHC="No SVHC", RoHS=Yes, Stock 1=5779, Supplier 1=Digi-Key, Voltage=5.5V, Weight=0.030018oz, Width=4.1mm
X100 X400 X401: library part "X_Connector 2x20Pin", "Generic connector 2x20 Pin"
X101: library part "X_Connector 2x20Pin_1", "Generic connector 2x20 Pin"
X102 X105 X106 X402 X403: library part "X_Connector 6Pin", "Generic connector 6 Pin"
X103 X104: library part X_RJHSE5E80, "Modular Connectors / Ethernet Connectors High Speed RJ w/no LED's or Shield", Manufacturer 1="Amphenol Commercial", Supplier Part Number 1=RJHSE5E80-ND, Voltage Rating=125V, ComponentLink1Description=http://www.mouser.com/ds/2/18/Amphenol_RJHSE_BRO-311217.pdf, ComponentLink1URL=http://www.mouser.com/ds/2/18/Amphenol_RJHSE_BRO-311217.pdf, ComponentLink2Description=https://www.amphenolcanada.com/ProductSearch/pdf/RJHSE_BRO.pdf, ComponentLink2URL=https://www.amphenolcanada.com/ProductSearch/pdf/RJHSE_BRO.pdf, ComponentLink3Description=https://datasheet.ciiva.com/16408/eng-cd-6368150-b1-16408714.pdf, ComponentLink3URL=https://datasheet.ciiva.com/16408/eng-cd-6368150-b1-16408714.pdf, ComponentLink4Description=https://datasheet.ciiva.com/30494/0900766b8121d3d0-30494389.pdf, ComponentLink4URL=https://datasheet.ciiva.com/30494/0900766b8121d3d0-30494389.pdf, ComponentLink5Description=https://datasheet.ciiva.com/30086/63681501-30086239.pdf, ComponentLink5URL=https://datasheet.ciiva.com/30086/63681501-30086239.pdf, ComponentLink7Description=https://datasheet.ciiva.com/685/eng-cd-6368150-c1-685799.pdf, ComponentLink7URL=https://datasheet.ciiva.com/685/eng-cd-6368150-c1-685799.pdf, Manufacturer Part Number 1=RJHSE5E80, Supplier 1=Digi-Key, Termination=Solder
X200 X202 X203 X204: library part X_73725-0110BLF, "CONN RCPT USB2.0 TYPEA 4POS R/A"
X201: library part X_UE27-BC54-130, "USB Connectors 4P PCB R/A TYPE B BLACK W/ REAR SHIELD", Manufacturer 1="Amphenol Commercial", Supplier Part Number 1=UE27BC54130-ND, ComponentLink1Description=https://datasheet.ciiva.com/10945/ue27bcx4xxx-10945210.pdf, ComponentLink1URL=https://datasheet.ciiva.com/10945/ue27bcx4xxx-10945210.pdf, ComponentLink2Description=https://datasheet.ciiva.com/851/ue27bcx4xxx-851809.pdf, ComponentLink2URL=https://datasheet.ciiva.com/851/ue27bcx4xxx-851809.pdf, ComponentLink3Description=https://datasheet.ciiva.com/16668/ue27bcx4xxx-16668218.pdf, ComponentLink3URL=https://datasheet.ciiva.com/16668/ue27bcx4xxx-16668218.pdf, Manufacturer Part Number 1=UE27-BC54-130, Supplier 1=Digi-Key
X404: library part "X_Connector FTDI cable", "Connector 6 Pin for FTDI cable", Manufacturer=Mill-Max, Manufacturer Part Number=419-10-206-00-006000, Supplier Part Number 1=ED1376-ND, ComponentLink1Description=https://www.mill-max.com/assets/pdfs/021.2.PDF, ComponentLink1URL=https://www.mill-max.com/assets/pdfs/021.2.PDF, Contact Plating=Gold, Material=Brass, Mount="Through Hole", Number of Contacts=6, Number of Rows=2, Packaging=Bulk, Pitch=0.1inch, Pricing 1="1=4.33, 10=4.152, 100=3.46, 500=2.941, 1000=2.5085 (USD)", Row Spacing=0.1inch, Stock 1=291, Supplier 1=Digi-Key

## Via types
v1: diameter 0.6, hole 0.25, Top Layer to Bottom Layer, tented both sides, 1557 vias
v2: diameter 0.25, hole 0.25, Top Layer to Bottom Layer, tented both sides, 72 vias
v3: diameter 0.8, hole 0.3, Top Layer to Bottom Layer, 4 vias

## Nets (pads, with @x,y where several pads share a name; then routed paths per layer and width w, separated by ;. In a path a pad name is that pad's centre, name@x,y a point inside that pad or via, vN(x,y) a via of type N, cw(c..) or ccw(c..) an arc to the next point about the centre after c; other vN are vias at no path point)
+3V3: X100.1 X100.17 X101.1 X101.17 X105.1 X105.2 X105.3 X105.4 X105.5 X105.6 | length 99.5
  Top Layer w1: X100.1@18.46,54.86 18.86,55.26 18.86,55.548 20.312,57 v1(36,57)
  Bottom Layer w0.6: X101.17@35.63,35 37.074,35 37.425,35.351 37.425,55.225 37.33,55.32 37.225,55.32
  Bottom Layer w1: X105.6@18.377,85.043 X105.5@18.377,82.503 X105.4@18.377,79.963 X105.3@18.377,77.423 X105.2@18.377,74.883 X105.1@18.377,72.343 18.419,72.302 18.419,54.901 X100.1@18.46,54.86 18.199,54.599 16.06,54.599 15.25,53.789 15.25,35.212 15.922,34.54 X100.17@18.46,34.54 ; v1(36,57) 36,55.32 37.225,55.32
+3V3_B: X400.1 X400.17 X401.1 X401.17 X402.1 X403.1
+5V: X100.2 X100.4 X101.2 X101.4 X102.1 X102.2 X102.3 X102.4 X102.5 X102.6 | length 46.8
  Top Layer w1: X100.4@21,52.32 22.719,54.039 ; X100.2@21,54.86 21.216,54.86 22.038,54.039 22.719,54.039 ; v1(29.75,54.039) 22.719,54.039
  Bottom Layer w0.6: X101.4@29.83,52.78 X101.2@29.83,55.32
  Bottom Layer w1: X102.6@20.917,85.043 20.959,85.002 20.959,77.423 20.959,52.361 X100.4@21,52.32
+5VUSB: C202.2 C300.2 C301.2 C304.2 C305.2 C308.2 C309.2 C312.2 C313.2 R200.2 R201.2 R202.2 R203.2 R204.1 R300.2 R301.2 U200.20 U300.2 U300.3 U301.2 U301.3 U302.2 U302.3 U303.2 U303.3 X201.1 | length 147.8
  Top Layer w0.3: U301.2@68.727,108.635 68.727,108.662 69.3,109.235 69.3,110.85 68.475,111.675 68.475,112.047 68.225,112.297 68.225,112.372 68.964,113.111 70.411,113.111 R301.2@71.225,112.297 ; R203.2@95,84 R202.2@98,84 ; v1(98,81.25) R202.2@98,84 ; R204.1@101,84 R202.2@98,84 ; X201.1@108.25,78.855 108.623,79.228 R201.2@108.623,81.6 ; U200.20@108.347,87.21 108.347,85.633 108.623,85.358 108.623,81.99 108.427,81.795 R201.2@108.623,81.6 ; R200.2@114,82 113.725,82 112.782,82.943 111.093,82.943 110.225,82.075 C202.2@110.225,82 110.05,81.825 108.848,81.825 R201.2@108.623,81.6
  Top Layer w0.5: C313.2@64,76.225 65.175,76.225 65.715,75.685 65.765,75.635 U300.2@68.275,75.635 ; C309.2@64,87.225 65.175,87.225 65.715,86.685 65.765,86.635 ; C305.2@64,98.225 65.175,98.225 65.715,97.685 65.765,97.635 U302.2@68.275,97.635 ; C300.2@64,107.05 64.05,107.1 65.45,107.1 65.715,107.365 U301.3@68.275,107.365 ; C301.2@64,109.225 65.175,109.225 65.765,108.635 U301.2@68.275,108.635 U301.2@68.727,108.635 ; C312.2@64.05,74.1 65.45,74.1 65.715,74.365 U300.3@68.275,74.365 ; C308.2@64.05,85.1 65.45,85.1 65.715,85.365 ; C304.2@64.05,96.1 65.45,96.1 65.715,96.365 U302.3@68.275,96.365 ; U303.3@68.275,85.365 65.765,85.365 65.765,86.635 ; U303.2@68.275,86.635 65.765,86.635
  Top Layer w1: v1(65.7,81.92) v1@65.715,81.905 ; 65.715,74.365 65.715,75.685 v1@65.715,81.905 ; 65.765,108.635 65.729,108.599 65.729,107.379 65.715,107.365 65.715,97.685 65.715,96.365 65.715,86.685 65.715,85.365 v1@65.715,81.905
  Bottom Layer w0.3: 100.4,81.1 100.464,81.164 100.5,81.2
  Bottom Layer w1: v1(65.7,81.92) 66.456,81.164 100.464,81.164 106.556,81.164 108.25,79.47 X201.1@108.25,78.855
+5VUSB_1: C314.2 C315.2 U204.5 U303.6 U303.7 X204.1 | length 82.3
  Top Layer w0.2: U204.5@104.162,101.37 v3(104.162,102.962)
  Top Layer w0.5: U303.6@73.725,85.365 v1@76,85.365 ; U303.7@73.725,86.635 76,86.635 ; C314.2@77,84.775 76.925,84.775 76.335,85.365 v1@76,85.365 ; C315.2@77,86.95 76.675,86.95 76.36,86.635 76,86.635 ; v1@76,85.365 v1(76,85.379) 76,86.635
  Bottom Layer w0.2: X204.1@104,110.9 105.1,109.8 105.1,103.9 v3(104.162,102.962)
  Bottom Layer w0.5: v1(76,85.379) 76,91.973 77.46,93.433 77.46,110.36 78.323,111.223 86.446,111.223 88.693,113.47 88.693,116.693 90,118 103,118 104,117 X204.1@104,110.9
+5VUSB_2: C310.2 C311.2 U203.5 U302.6 U302.7 X203.1 | length 82.2
  Top Layer w0.2: U203.5@114.214,101.37 v3(114.214,102.962)
  Top Layer w0.5: U302.6@73.725,96.365 v1@76,96.365 ; U302.7@73.725,97.635 76,97.635 ; C310.2@77,95.775 76.925,95.775 76.335,96.365 v1@76,96.365 ; C311.2@77,97.95 76.675,97.95 76.36,97.635 76,97.635 ; v1@76,96.365 v1(76,96.379) 76,97.635
  Bottom Layer w0.2: X203.1@114.052,110.9 115.152,109.8 115.152,103.9 v3(114.214,102.962)
  Bottom Layer w0.5: v1(76,96.379) 76.81,97.189 76.81,112.584 82.919,118.693 113.307,118.693 114.052,117.948 X203.1@114.052,110.9
+5VUSB_3: C306.2 C307.2 U202.5 U301.6 U301.7 X202.1 | length 82.8
  Top Layer w0.2: U202.5@124.266,101.37 v3(124.266,102.962)
  Top Layer w0.5: U301.6@73.725,107.365 v1@76,107.365 ; U301.7@73.725,108.635 76,108.635 ; C306.2@77,106.775 76.925,106.775 76.335,107.365 v1@76,107.365 ; C307.2@77,108.95 76.675,108.95 76.36,108.635 76,108.635 ; v1@76,107.365 v1(76,107.379) 76,108.635
  Bottom Layer w0.2: X202.1@124.103,110.9 125.203,109.8 125.203,103.9 v3(124.266,102.962)
  Bottom Layer w0.5: v1(76,107.379) 76,112.693 82.678,119.37 123.322,119.37 124.103,118.589 X202.1@124.103,110.9
+5VUSB_4: C302.2 C303.2 U201.5 U300.6 U300.7 X200.1 | length 64.8
  Top Layer w0.2: v3(120.828,79.713) U201.5@120.828,80.9
  Top Layer w0.5: U300.6@73.725,74.365 v1@76,74.365 ; U300.7@73.725,75.635 76,75.635 ; C302.2@77,73.775 76.925,73.775 76.335,74.365 v1@76,74.365 ; C303.2@77,75.95 76.675,75.95 76.36,75.635 76,75.635 ; v1@76,74.365 v1(76,74.379) 76,75.635
  Bottom Layer w0.5: v1(76,74.379) 76.014,74.365 93.385,74.365 97.02,70.73 115.293,70.73 117.427,72.864 119.956,72.864 ; v3(120.828,79.713) 119.8,78.685 119.8,73.02 119.956,72.864 ; X200.1@121.09,71.73 119.956,72.864 ; X200.1@121.322,71.73 X200.1@121.413,71.73
FGND: C201.1 C204.1 C205.1 C206.1 X103.9 X104.9 X200.5 X201.5 X202.5 X203.5 X204.5